# Altium PCB DRS4-PCB.PcbDoc (part 7 of 15)
Units mil, origin at the board's own origin, x right, y up, seen from the top; angles counter-clockwise.
Board outline 12350 x 7411.06 mil, 12 copper layers (Top Layer, Ground Layer 2, Signal Layer 3, Signal Layer 4, Ground Layer 5, Power Layer 6, Ground Layer 7, Ground Layer 8, Power Layer 9, Power Layer 10, Ground Layer 11, Bottom Layer), stack 61.6 mil thick; 1264 components, 1069 nets, 3958 pads, 2329 vias.
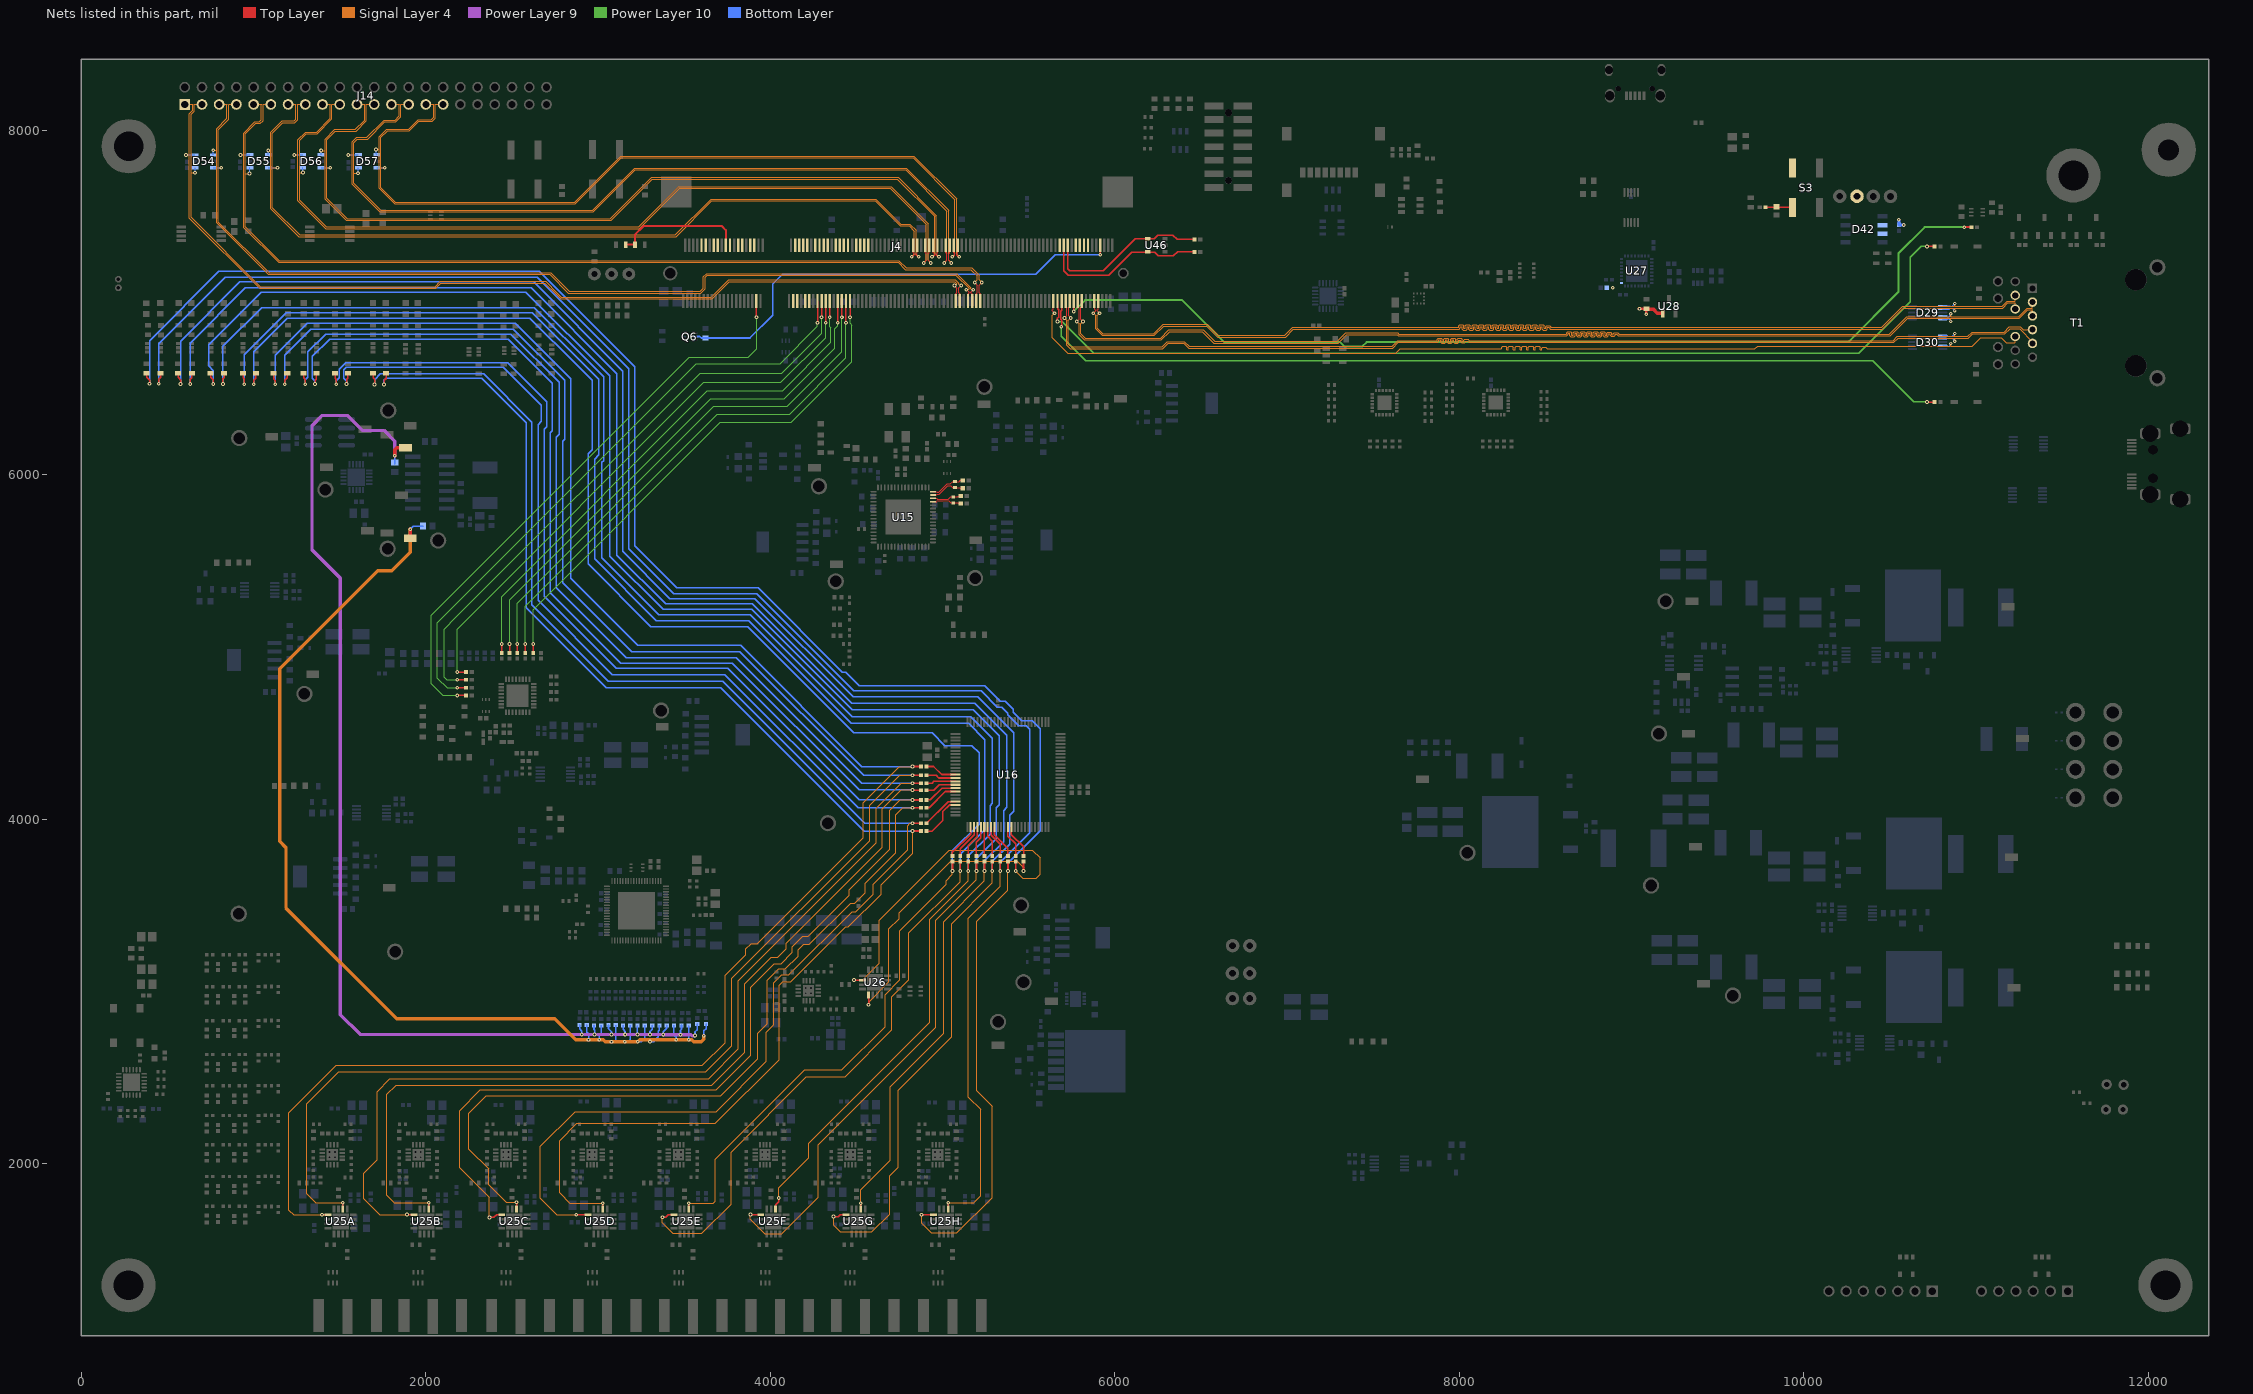
[diagram p17: the nets of this part, all layers, seen from the top]

## Via types
v1: diameter 21.65, hole 10, Top Layer to Bottom Layer, 2294 vias
v2: diameter 25, hole 15, Top Layer to Bottom Layer, 16 vias
v3: diameter 19, hole 8, Top Layer to Bottom Layer, 12 vias
v4: diameter 40, hole 28, Top Layer to Bottom Layer, 3 vias
v5: diameter 30, hole 20, Top Layer to Bottom Layer, 2 vias
v6: diameter 27.56, hole 10, Top Layer to Bottom Layer, 1 vias
v7: diameter 18, hole 10, Top Layer to Bottom Layer, 1 vias

## Nets (pads, with @x,y where several pads share a name; then routed paths per layer and width w, separated by ;. In a path a pad name is that pad's centre, name@x,y a point inside that pad or via, vN(x,y) a via of type N, cw(c..) or ccw(c..) an arc to the next point about the centre after c; other vN are vias at no path point) (continued)
ETH_A_P: D30.4 J4.171 T1.10 | length 6217.1
  Top Layer w5.08: J4.171@5643.28,7008.12 5641.26,7006.1 5641.26,6961 5636.91,6956.65 5636.91,6950.75 v1(5650,6937.67)
  Signal Layer 4 w3.66: v1(5650,6937.67) 5636.76,6924.42 5636.76,6796 5726.76,6706 7631,6706 7656,6731 8238.83,6731 8243.52,6731 8245.66,6733.14 8245.66,6740.28 8251.38,6746 8269.13,6746 8274.85,6740.28 8274.85,6725.76 8284.51,6725.76 8284.51,6740.28 8290.23,6746 8307.97,6746 8313.69,6740.28 8313.69,6725.76 8323.35,6725.76 8323.35,6740.28 8329.07,6746 8346.82,6746 8352.53,6740.28 8352.53,6725.76 8362.19,6725.76 8362.19,6740.28 8367.91,6746 8385.66,6746 8391.38,6740.28 8391.38,6725.76 8401.04,6725.76 8401.04,6740.28 8406.75,6746 8424.5,6746 8430.22,6740.28 8430.22,6725.76 8439.88,6725.76 8439.88,6740.28 8445.6,6746 8463.35,6746 8469.06,6740.28 8469.06,6726.76 8478.72,6726.76 8478.72,6733.15 8484.44,6738.86 8502.19,6738.86 8507.91,6733.15 8510.05,6731 8520.39,6731 9716.03,6731 9730.97,6745.94 10850.22,6745.94 10852.36,6748.08 ; v3(10852.36,6762.11) 10852.36,6748.08 ; T1.10@11226.83,6802.27 11226.83,6769.34 11224.68,6767.19 11175.14,6767.19 11146.92,6795.42 11026.8,6795.42 10977.32,6745.94 10854.51,6745.94 10852.36,6748.08
  Bottom Layer w6.73: D30.4@10805.79,6750.01 10827.83,6750.01 10831.81,6746.04 10842.46,6746.04 10847.3,6750.87 10847.3,6753.73 10852.36,6758.8 v3(10852.36,6762.11)
ETH_B_N: D30.2 J4.177 T1.5 | length 6227.4
  Top Layer w5.08: v1(5707.5,6909.45) 5720.59,6922.54 5720.59,6960.68 5720.91,6961 5720.91,6968.84 5714.14,6975.62 J4.177@5714.14,7008.12
  Signal Layer 4 w3.66: v1(5707.5,6909.45) 5720.74,6896.2 5720.74,6752.5 5741.14,6732.1 6277.91,6732.1 6308.8,6763 6400,6763 6428,6735 7612.85,6735 7645.85,6768 7864.28,6768 7873.01,6768 7880.87,6775.86 7880.87,6783 7890.53,6783 7890.53,6768.48 7896.25,6762.76 7914,6762.76 7919.72,6768.48 7919.72,6783 7929.38,6783 7929.38,6768.48 7935.09,6762.76 7952.84,6762.76 7958.56,6768.48 7958.56,6783 7968.22,6783 7968.22,6768.48 7973.94,6762.76 7991.68,6762.76 7997.4,6768.48 7997.4,6781.05 8007.06,6781.05 8007.06,6770.86 8012.78,6765.14 8030.53,6765.14 8036.24,6770.86 8036.24,6775.86 8045.91,6775.86 8053.77,6768 8068.13,6768 10522.4,6768 10547.02,6792.62 10873.84,6792.62 10875.98,6790.48 ; v3(10875.98,6775) 10875.98,6790.48 ; T1.5@11326.83,6762.11 11326.83,6773.17 11252,6848 11197,6848 11166.1,6817.1 10979.9,6817.1 10955.42,6792.62 10878.13,6792.62 10875.98,6790.48
  Bottom Layer w6.73: D30.2@10805.79,6789.38 10827.83,6789.38 10831.81,6793.36 10847.96,6793.36 10849.68,6791.63 10860.12,6791.63 10875.98,6775.77 v3(10875.98,6775)
ETH_B_P: D30.1 J4.179 T1.4 | length 6175.8
  Top Layer w5.08: J4.179@5737.76,7008.12 5737.76,6975.62 5730.99,6968.84 5730.99,6956.83 5730.66,6956.5 5730.66,6922.54 v1(5743.75,6909.45)
  Signal Layer 4 w3.66: v1(5743.75,6909.45) 5730.51,6896.2 5730.51,6756.54 5745.18,6741.86 6273.86,6741.86 6304.76,6772.76 6404.04,6772.76 6432.04,6744.76 7608.8,6744.76 7641.8,6777.76 7864.28,6777.76 7868.97,6777.76 7871.11,6779.91 7871.11,6787.04 7876.83,6792.76 7894.58,6792.76 7900.29,6787.04 7900.29,6772.52 7909.95,6772.52 7909.95,6787.04 7915.67,6792.76 7933.42,6792.76 7939.14,6787.04 7939.14,6772.52 7948.8,6772.52 7948.8,6787.04 7954.52,6792.76 7972.26,6792.76 7977.98,6787.04 7977.98,6772.52 7987.64,6772.52 7987.64,6785.1 7993.36,6790.81 8011.11,6790.81 8016.82,6785.1 8016.82,6774.9 8026.48,6774.9 8026.48,6779.91 8032.2,6785.62 8049.95,6785.62 8055.67,6779.91 8057.81,6777.76 8068.13,6777.76 10518.35,6777.76 10542.97,6802.38 10873.84,6802.38 10875.98,6804.52 ; v3(10875.98,6820) 10875.98,6804.52 ; T1.4@11326.83,6842.04 11326.69,6841.9 11271.9,6841.9 11256.04,6857.76 11192.96,6857.76 11162.06,6826.86 10975.86,6826.86 10951.38,6802.38 10878.13,6802.38 10875.98,6804.52
  Bottom Layer w6.73: D30.1@10805.79,6809.07 10827.83,6809.07 10831.81,6805.09 10852.82,6805.09 10854.54,6803.37 10860.12,6803.37 10875.98,6819.23 v3(10875.98,6820)
ETH_C_N: D29.5 J4.183 T1.3 | length 6229.5
  Top Layer w5.08: v1(5778.75,6889.76) 5791.84,6902.85 5791.84,6942.62 5791.77,6942.69 5791.77,6968.84 5785,6975.62 J4.183@5785,7008.12
  Signal Layer 4 w3.66: v1(5778.75,6889.76) 5791.99,6876.52 5791.99,6813.53 5823.33,6782.2 6269,6782.2 6317.8,6831 6508,6831 6574.9,6764.1 7295.9,6764.1 7344.9,6813.1 7637.85,6813.1 7644.8,6806.14 8615.76,6806.14 8624.49,6806.14 8632.35,6814 8632.35,6821.14 8642.01,6821.14 8642.01,6806.62 8647.73,6800.9 8665.48,6800.9 8671.19,6806.62 8671.19,6821.14 8680.85,6821.14 8680.85,6806.62 8686.57,6800.9 8704.32,6800.9 8710.04,6806.62 8710.04,6821.14 8719.7,6821.14 8719.7,6806.62 8725.42,6800.9 8743.16,6800.9 8748.88,6806.62 8748.88,6821.14 8758.54,6821.14 8758.54,6806.62 8764.26,6800.9 8782.01,6800.9 8787.72,6806.62 8787.72,6821.14 8797.38,6821.14 8797.38,6806.62 8803.1,6800.9 8820.85,6800.9 8826.57,6806.62 8826.57,6821.14 8836.23,6821.14 8836.23,6806.62 8841.94,6800.9 8859.69,6800.9 8865.41,6806.62 8865.41,6817.03 8875.07,6817.03 8875.07,6809 8880.79,6803.28 8898.54,6803.28 8904.25,6809 8904.25,6814 8913.91,6814 8921.78,6806.14 8942.29,6806.14 10500.44,6806.14 10601.92,6907.62 10850.22,6907.62 10852.36,6905.48 ; v3(10852.36,6890) 10852.36,6905.48 ; T1.3@11326.83,6921.96 11326.83,6954.89 11324.68,6957.04 11300.84,6957.04 11251.42,6907.62 10854.51,6907.62 10852.36,6905.48
  Bottom Layer w6.73: D29.5@10805.79,6901.77 10827.83,6901.77 10831.81,6905.75 10843.35,6905.75 10847.29,6901.8 10847.29,6898.39 10852.36,6893.32 v3(10852.36,6890)
ETH_C_P: D29.4 J4.185 T1.2 | length 6214.6
  Top Layer w5.08: J4.185@5808.62,7008.12 5808.62,6975.62 5801.85,6968.84 5801.85,6947.74 5801.91,6947.68 5801.91,6902.85 v1(5815,6889.76)
  Signal Layer 4 w3.66: v1(5815,6889.76) 5801.76,6876.52 5801.76,6817.57 5827.37,6791.96 6264.96,6791.96 6313.76,6840.76 6512.04,6840.76 6578.94,6773.86 7291.86,6773.86 7340.86,6822.86 7641.89,6822.86 7648.85,6815.9 8615.76,6815.9 8620.45,6815.9 8622.59,6818.05 8622.59,6825.18 8628.31,6830.9 8646.05,6830.9 8651.77,6825.18 8651.77,6810.66 8661.43,6810.66 8661.43,6825.18 8667.15,6830.9 8684.9,6830.9 8690.62,6825.18 8690.62,6810.66 8700.28,6810.66 8700.28,6825.18 8705.99,6830.9 8723.74,6830.9 8729.46,6825.18 8729.46,6810.66 8739.12,6810.66 8739.12,6825.18 8744.84,6830.9 8762.58,6830.9 8768.3,6825.18 8768.3,6810.66 8777.96,6810.66 8777.96,6825.18 8783.68,6830.9 8801.43,6830.9 8807.14,6825.18 8807.14,6810.66 8816.81,6810.66 8816.81,6825.18 8822.52,6830.9 8840.27,6830.9 8845.99,6825.18 8845.99,6810.66 8855.65,6810.66 8855.65,6821.08 8861.37,6826.79 8879.11,6826.79 8884.83,6821.08 8884.83,6813.04 8894.49,6813.04 8894.49,6818.05 8900.21,6823.77 8917.96,6823.77 8923.67,6818.05 8925.82,6815.9 8942.29,6815.9 10496.4,6815.9 10597.88,6917.38 10850.22,6917.38 10852.36,6919.52 ; v3(10852.36,6935) 10852.36,6919.52 ; T1.2@11326.83,7001.88 11326.83,6968.94 11324.68,6966.8 11296.8,6966.8 11247.38,6917.38 10854.51,6917.38 10852.36,6919.52
  Bottom Layer w6.73: D29.4@10805.79,6921.46 10827.83,6921.46 10831.81,6917.48 10842.46,6917.48 10850.01,6925.03 10850.01,6932.65 v3(10852.36,6935)
ETH_CTREF: J4.181 R64.2 | length 5827.2
  Top Layer w7.87: v1(5761.38,6947.87) J4.181@5761.38,7008.12
  Top Layer w11.81: v1(10930.43,7437.24) R64.2@10971.77,7437.24
  Power Layer 10 w11.81: v1(5761.38,6947.87) 5827.08,7013.57 6390.36,7013.57 6634.5,6769.44 7307.48,6769.44 7331.83,6745.09 7436.91,6745.09 7461.26,6769.44 10257.07,6769.44 10548.97,7061.34 10548.97,7285.76 10700.46,7437.24 v1(10930.43,7437.24)
ETH_D_N: D29.2 J4.191 T1.9 | length 6239.2
  Top Layer w5.08: v1(5875,6937.55) 5888.09,6950.63 5888.09,6956.5 5883.59,6961 5883.59,7004.01 J4.191@5879.48,7008.12
  Signal Layer 4 w3.66: v1(5875,6937.55) 5888.24,6924.3 5888.24,6846.95 5926.76,6808.44 6229.56,6808.44 6283.36,6862.24 6533.3,6862.24 6596.86,6798.68 6990.48,6798.68 7036.8,6845 7989.18,6845 7997.91,6845 8005.77,6852.86 8005.77,6860 8015.43,6860 8015.43,6845.48 8021.15,6839.76 8038.9,6839.76 8044.61,6845.48 8044.61,6860 8054.27,6860 8054.27,6845.48 8059.99,6839.76 8077.74,6839.76 8083.46,6845.48 8083.46,6860 8093.12,6860 8093.12,6845.48 8098.84,6839.76 8116.58,6839.76 8122.3,6845.48 8122.3,6860 8131.96,6860 8131.96,6845.48 8137.68,6839.76 8155.43,6839.76 8161.14,6845.48 8161.14,6860 8170.8,6860 8170.8,6845.48 8176.52,6839.76 8194.27,6839.76 8199.99,6845.48 8199.99,6860 8209.65,6860 8209.65,6845.48 8215.37,6839.76 8233.11,6839.76 8238.83,6845.48 8238.83,6860 8248.49,6860 8248.49,6845.48 8254.21,6839.76 8271.96,6839.76 8277.67,6845.48 8277.67,6860 8287.33,6860 8287.33,6845.48 8293.05,6839.76 8310.8,6839.76 8316.52,6845.48 8316.52,6860 8326.18,6860 8326.18,6845.48 8331.9,6839.76 8349.64,6839.76 8355.36,6845.48 8355.36,6860 8365.02,6860 8365.02,6845.48 8370.74,6839.76 8388.49,6839.76 8394.2,6845.48 8394.2,6860 8403.86,6860 8403.86,6845.48 8409.58,6839.76 8427.33,6839.76 8433.05,6845.48 8433.05,6860 8442.71,6860 8442.71,6845.48 8448.42,6839.76 8466.17,6839.76 8471.89,6845.48 8471.89,6860 8481.55,6860 8481.55,6845.48 8487.27,6839.76 8505.01,6839.76 8510.73,6845.48 8510.73,6854.64 8520.39,6854.64 8520.39,6852.86 8528.26,6845 8548,6845 10455.22,6845 10577.72,6967.5 10873.84,6967.5 10875.98,6965.36 ; v3(10875.98,6950.83) 10875.98,6965.36 ; T1.9@11226.83,6961.72 11226.83,6994.66 11224.68,6996.8 11184.66,6996.8 11155.36,6967.5 10878.13,6967.5 10875.98,6965.36
  Bottom Layer w6.73: D29.2@10805.79,6960.83 10843.31,6960.83 10849,6966.52 10860.3,6966.52 v3(10875.98,6950.83)
ETH_D_P: D29.1 J4.193 T1.8 | length 6220.1
  Top Layer w5.08: J4.193@5903.1,7008.12 5902.66,7007.68 5902.66,6961 5898.16,6956.5 5898.16,6950.63 v1(5911.25,6937.55)
  Signal Layer 4 w3.66: v1(5911.25,6937.55) 5898.01,6924.3 5898.01,6850.99 5930.8,6818.2 6225.51,6818.2 6279.32,6872 6537.34,6872 6600.91,6808.44 6986.44,6808.44 7032.76,6854.76 7989.18,6854.76 7993.87,6854.76 7996.01,6856.91 7996.01,6864.04 8001.73,6869.76 8019.47,6869.76 8025.19,6864.04 8025.19,6849.52 8034.85,6849.52 8034.85,6864.04 8040.57,6869.76 8058.32,6869.76 8064.04,6864.04 8064.04,6849.52 8073.7,6849.52 8073.7,6864.04 8079.41,6869.76 8097.16,6869.76 8102.88,6864.04 8102.88,6849.52 8112.54,6849.52 8112.54,6864.04 8118.26,6869.76 8136,6869.76 8141.72,6864.04 8141.72,6849.52 8151.38,6849.52 8151.38,6864.04 8157.1,6869.76 8174.85,6869.76 8180.57,6864.04 8180.57,6849.52 8190.23,6849.52 8190.23,6864.04 8195.94,6869.76 8213.69,6869.76 8219.41,6864.04 8219.41,6849.52 8229.07,6849.52 8229.07,6864.04 8234.79,6869.76 8252.53,6869.76 8258.25,6864.04 8258.25,6849.52 8267.91,6849.52 8267.91,6864.04 8273.63,6869.76 8291.38,6869.76 8297.09,6864.04 8297.09,6849.52 8306.76,6849.52 8306.76,6864.04 8312.47,6869.76 8330.22,6869.76 8335.94,6864.04 8335.94,6849.52 8345.6,6849.52 8345.6,6864.04 8351.32,6869.76 8369.06,6869.76 8374.78,6864.04 8374.78,6849.52 8384.44,6849.52 8384.44,6864.04 8390.16,6869.76 8407.91,6869.76 8413.62,6864.04 8413.62,6849.52 8423.29,6849.52 8423.29,6864.04 8429,6869.76 8446.75,6869.76 8452.47,6864.04 8452.47,6849.52 8462.13,6849.52 8462.13,6864.04 8467.85,6869.76 8485.59,6869.76 8491.31,6864.04 8491.31,6849.52 8500.97,6849.52 8500.97,6858.68 8506.69,6864.4 8524.44,6864.4 8530.15,6858.68 8530.15,6856.91 8532.3,6854.76 8548,6854.76 10451.18,6854.76 10573.68,6977.26 10873.84,6977.26 10875.98,6979.41 ; v3(10875.98,6993.93) 10875.98,6979.41 ; T1.8@11226.83,7041.64 11226.83,7008.71 11224.68,7006.56 11180.62,7006.56 11151.32,6977.26 10878.13,6977.26 10875.98,6979.41
  Bottom Layer w6.73: D29.1@10805.79,6980.51 10846.74,6980.51 10849,6978.25 10860.3,6978.25 v3(10875.98,6993.93)
ETH_LED1#: J4.173 R66.2 | length 5700.5
  Top Layer w7.87: v1(5666.75,6889.17) 5666.73,6909.31 5672.76,6915.34 5672.76,6956.65 5666.91,6962.49 J4.173@5666.9,7008.12 ; v1@10714.25,7325.06 R66.2@10760.43,7325.06
  Power Layer 10 w7.87: v1(5666.75,6889.17) 5694.35,6889.17 5724.31,6859.21 5877.51,6706.01 6510.01,6706.01 10319.53,6706.01 10618.33,7004.81 10618.33,7262.13 10681.03,7324.83 v1(10714.25,7324.92)
ETH_LED2#: J4.175 R67.2 | length 5438.2
  Top Layer w7.87: v1(5688.28,6859.58) 5686.32,6861.54 5690.26,6865.49 5690.26,6897.2 5686.32,6901.15 5686.32,6950.08 5690.53,6954.3 J4.175@5690.52,7008.12 ; v1@10714.25,6421.53 R67.2@10758.66,6421.53
  Power Layer 10 w7.87: v1(5688.28,6859.58) 5688.28,6804.23 5831.98,6660.53 10400.1,6660.53 10638.04,6422.59 v1(10714.25,6422.59)
FLASH_CLK: J4.182
FLASH_CS#: J4.188
FLASH_DI: J4.186
FLASH_DO: J4.184
FPGA_DONE: J4.194 Q6.2 R28.2 | length 2706.1
  Top Layer w10: v1(5914.96,7277.15) 5914.93,7277.19 J4.194@5914.91,7331.12
  Bottom Layer w10: Q6.2@3573.23,6801.93 3590.54,6801.93 3599.22,6793.25 R28.2@3622.79,6793.25 3881.15,6793.25 4013,6925.09 4013,7106.71 4070.29,7164 5540.58,7164 5653.72,7277.15 v1(5914.96,7277.15)
FTDI_1V8: C238.2 C246.2 U27.1 U28.1 | length 179.3
  Top Layer w15.75: v1@9043.11,6963.25 v1(9045.75,6963.25) 9084.62,6963.25 C246.2@9085.16,6962.72 ; v1(9085.16,6931.41) C246.2@9085.16,6962.72 ; C246.2@9086.11,6961.76 C246.2@9085.16,6962.72
  Top Layer w20: C246.2@9086.11,6961.76 9124.53,6961.76 9148.3,6938 U28.1@9180.6,6938
  other v1: 8890.53,7085.83
FTDI_\R\E\S\E\T\: C242.1 R201.2 S3.1 S3.2 | length 157.4
  Top Layer w8: R201.2@9777.13,7553.18 9931.34,7553.18 S3.2@9933.6,7550.93
FTDI_EXT_1V8: C241.2 D42.2 D42.3 J11.1 | length 58.5
  Bottom Layer w15.75: v1(10550.67,7479.77) 10551.56,7478.87 10551.56,7449.23 v1(10579.17,7449.23)
GPIO0_N: D54.4 J4.125 J14.3 | length 5605.9
  Top Layer w5: J4.125@5100.02,7008.12 5100.03,7050.1 5093.23,7056.91 5093.23,7083.93 v1(5107.72,7098.43)
  Signal Layer 4 w3.66: v1(659.82,7752.52) 636.93,7752.52 ; J14.3@700,8149.61 657.02,8149.61 654.88,8147.46 654.88,8110.52 636.81,8092.45 636.81,8063.12 636.93,8063 636.93,7752.52 ; v1(5107.72,7098.43) 5104.34,7101.8 5095.54,7101.8 5093.07,7104.27 5093.07,7111.72 5073.48,7131.32 3758.32,7131.32 3657,7030 2787.14,7030 2760.07,7057.07 2695.14,7122 2083,7122 2053,7092 1038.93,7092 636.93,7494 636.93,7752.52
  Bottom Layer w6.73: D54.4@659.51,7781.46 659.82,7781.15 v1(659.82,7752.52)
GPIO0_P: D54.6 J4.123 J14.1 | length 5625
  Top Layer w5: v1(5068.43,7098.43) 5083.23,7083.63 5083.23,7056.91 5076.42,7050.1 J4.123@5076.4,7008.12
  Signal Layer 4 w3.66: J14.1@600,8149.61 642.98,8149.61 645.12,8147.46 645.12,8114.56 627.05,8096.49 627.05,8063.12 626.93,8063 626.93,7856.54 ; v1(607.83,7856.26) 608.11,7856.54 626.93,7856.54 ; v1(5068.43,7098.43) 5071.81,7101.8 5080.61,7101.8 5083.07,7104.27 5083.07,7107.58 5069.34,7121.32 3762.46,7121.32 3661.14,7020 2783,7020 2756.54,7046.46 2691,7112 2087.14,7112 2057.14,7082 1034.78,7082 626.93,7489.86 626.93,7856.54
  Bottom Layer w6.73: v1(607.83,7856.26) D54.6@659.51,7856.26
GPIO1_N: D54.3 J4.131 J14.7 | length 5565.7
  Top Layer w5: J4.131@5170.88,7008.12 5170.89,7050.1 5164.09,7056.91 5164.09,7060.26 5177.65,7073.82 v1(5178.15,7073.82)
  Signal Layer 4 w3.66: v1(811.9,7781.46) 811.82,7781.38 794.29,7781.38 ; J14.7@900,8149.61 857.02,8149.61 854.88,8147.46 854.88,8063.88 794.29,8003.29 794.29,7813.18 794.29,7781.38 ; v1(5178.15,7073.82) 5175.55,7076.42 5165,7076.42 5162.85,7078.57 5162.85,7085.64 5080.48,7168.01 3629.97,7168.01 3611,7149.04 3611,7083 3592,7064 2831.8,7064 2723.8,7172 1089.29,7172 794.29,7467 794.29,7781.38
  Bottom Layer w6.73: D54.3@765.81,7781.46 v1(811.9,7781.46)
GPIO1_P: D54.1 J4.129 J14.5 | length 5550.7
  Top Layer w5: v1(5137.8,7073.82) 5140.53,7073.82 5154.09,7060.26 5154.09,7056.91 5147.28,7050.1 J4.129@5147.26,7008.12
  Signal Layer 4 w3.66: v1(765.6,7883.74) 784.53,7883.74 ; J14.5@800,8149.61 842.98,8149.61 845.12,8147.46 845.12,8067.92 784.53,8007.33 784.53,7883.74 ; v1(5137.8,7073.82) 5140.4,7076.42 5150.95,7076.42 5153.09,7078.57 5153.09,7081.6 5076.44,7158.25 3634.01,7158.25 3620.76,7145 3620.76,7078.96 3596.04,7054.24 2827.76,7054.24 2719.76,7162.24 1085.24,7162.24 784.53,7462.96 784.53,7809.14 784.53,7883.74
  Bottom Layer w6.73: v1(765.6,7883.74) 765.6,7856.47 D54.1@765.81,7856.26
GPIO2_N: D55.4 J4.135 J14.11 | length 5406.9
  Top Layer w5: J4.135@5218.12,7008.12 5218.15,7050.1 5211.34,7056.91 5211.34,7101.1 v1(5226.38,7116.14)
  Signal Layer 4 w3.66: 952.02,7748.17 v1@970.84,7748.17 ; J14.11@1100,8149.61 1057.02,8149.61 1054.88,8147.46 1054.88,8055.86 1038.02,8039 1016.77,8039 1011.89,8039 951.89,7979 951.89,7920.65 951.89,7438.83 1148.67,7242.05 4746.3,7242.05 4787.46,7200.88 5168.57,7200.88 5171.5,7197.95 5211.2,7158.25 5211.2,7131.32 v1(5226.38,7116.14)
  Bottom Layer w6.73: v1(976.15,7748.03) 976.15,7779.56 D55.4@978.21,7781.61
GPIO2_P: D55.6 J4.133 J14.9 | length 5427.6
  Top Layer w5: v1(5186.02,7116.14) 5201.34,7100.83 5201.34,7056.91 5194.53,7050.1 J4.133@5194.5,7008.12
  Signal Layer 4 w3.66: v1@922.93,7856.12 941.75,7856.12 ; J14.9@1000,8149.61 1042.98,8149.61 1045.12,8147.46 1045.12,8059.91 1033.97,8048.76 1021.41,8048.76 1011.65,8048.76 1007.84,8048.76 942.13,7983.04 942.13,7979.24 941.89,7979 941.89,7916.5 941.89,7434.69 1144.53,7232.05 4742.16,7232.05 4780.39,7193.81 4783.32,7190.88 5164.43,7190.88 5201.2,7154.11 5201.2,7131.32 v1(5186.02,7116.14)
  Bottom Layer w6.73: v1(923.27,7856.54) v1(923.27,7856.54) 978.14,7856.47 D55.6@978.21,7856.41
GPIO3_N: D55.3 J4.104 J14.15 | length 5025.2
  Top Layer w5: J4.104@4852.01,7331.12 4852.03,7289.1 4845.22,7282.29 4845.22,7277.39 4856.85,7265.75 v1(4860.54,7265.75)
  Signal Layer 4 w3.66: 1109.25,7966.12 1109.25,7983.04 1170.2,8044 1239.52,8044 1254.88,8059.36 1254.88,8147.46 1257.02,8149.61 J14.15@1300,8149.61 ; 1109.37,7966 1109.37,7933.89 1109.37,7717.95 1109.37,7713.81 1109.37,7708.18 1109.37,7549.25 1266.73,7391.88 3448.79,7391.88 3656.76,7599.86 4611.7,7599.86 4757.48,7454.08 4809.79,7454.08 4845.36,7418.51 4845.36,7280.93 v1(4860.54,7265.75) ; 1109.5,7781.75 v1@1138.01,7781.75
  Bottom Layer w6.73: D55.3@1084.5,7781.61 v1(1138.01,7781.61)
GPIO3_P: D55.1 J4.102 J14.13 | length 4983.1
  Top Layer w5: v1(4820.19,7265.75) 4823.58,7265.75 4835.22,7277.39 4835.22,7282.29 4828.41,7289.1 J4.102@4828.39,7331.12
  Signal Layer 4 w3.66: v1(1084.5,7881.76) 1099.37,7881.76 ; 1099.37,7966 1099.37,7929.75 1099.37,7881.76 ; 1099.49,7966.12 1099.49,7987.09 1166.16,8053.76 1235.48,8053.76 1245.12,8063.4 1245.12,8147.46 1242.98,8149.61 J14.13@1200,8149.61 ; v1(4820.19,7265.75) 4835.36,7280.93 4835.36,7414.37 4805.65,7444.08 4753.34,7444.08 4607.56,7589.86 3660.9,7589.86 3452.93,7381.88 1262.59,7381.88 1102.3,7542.18 1099.37,7545.11 1099.37,7704.04 1099.37,7709.67 1099.37,7713.81 1099.37,7881.76
  Bottom Layer w6.73: D55.1@1084.5,7856.41 v1(1084.5,7881.76)
GPIO4_N: D56.4 J4.110 J14.19 | length 5006
  Top Layer w5: J4.110@4922.87,7331.12 4922.89,7289.1 4916.08,7282.29 4916.08,7244.56 v1(4931.11,7229.53)
  Signal Layer 4 w3.66: 1266.73,7909.64 1266.73,7940.17 1305.79,7979.24 1369.04,7979.24 1454.88,8065.08 1454.88,8147.46 1457.02,8149.61 J14.19@1500,8149.61 ; 1266.85,7909.52 1266.85,7753.73 1266.85,7593.74 1422.53,7438.06 3234.96,7438.06 3469.33,7672.43 4700.82,7672.43 4915.94,7457.31 4915.94,7244.7 v1(4931.11,7229.53) ; 1266.98,7753.73 v1@1286.08,7753.73
  Bottom Layer w6.73: D56.4@1284.86,7781.73 1286.08,7780.52 v1(1286.08,7754.4)
GPIO4_P: D56.6 J4.108 J14.17 | length 5028.4
  Top Layer w5: v1(4890.76,7229.53) 4906.08,7244.85 4906.08,7282.29 4899.27,7289.1 J4.108@4899.25,7331.12
  Signal Layer 4 w3.66: v1@1236.26,7855.98 1256.71,7855.98 ; J14.17@1400,8149.61 1442.98,8149.61 1445.12,8147.46 1445.12,8069.12 1365,7989 1301.75,7989 1256.85,7944.1 1256.85,7909.64 1256.85,7589.6 1418.39,7428.06 1422.53,7428.06 3239.1,7428.06 3473.47,7662.43 4696.67,7662.43 4905.94,7453.17 4905.94,7244.7 v1(4890.76,7229.53)
  Bottom Layer w6.73: v1(1236.26,7856.54) D56.6@1284.86,7856.54
GPIO5_N: D56.3 J4.114 J14.23 | length 4928.3
  Top Layer w5: J4.114@4970.11,7331.12 4970.13,7289.1 4963.32,7282.29 4963.32,7275.29 4972.85,7265.75 v1(4978.35,7265.75)
  Signal Layer 4 w3.66: 1424.47,7781.52 v1@1443.28,7781.52 ; J14.23@1700,8149.61 1657.02,8149.61 1654.88,8147.46 1654.88,8055.08 1594.8,7995 1474.99,7995 1424.21,7944.22 1424.21,7923.6 1424.33,7923.48 1424.33,7604.21 1542.4,7486.14 3070.59,7486.14 3309.93,7725.48 4741.95,7725.48 4963.17,7504.26 4963.17,7280.93 v1(4978.35,7265.75)